# Altium PCB GSMGPSMC60.PcbDoc
Units mm, origin at the board's own origin, x right, y up, seen from the top; angles counter-clockwise.
Board outline 40.1 x 30 mm, 2 copper layers (Top Layer, Bottom Layer); 52 components, 74 nets, 237 pads, 228 vias.
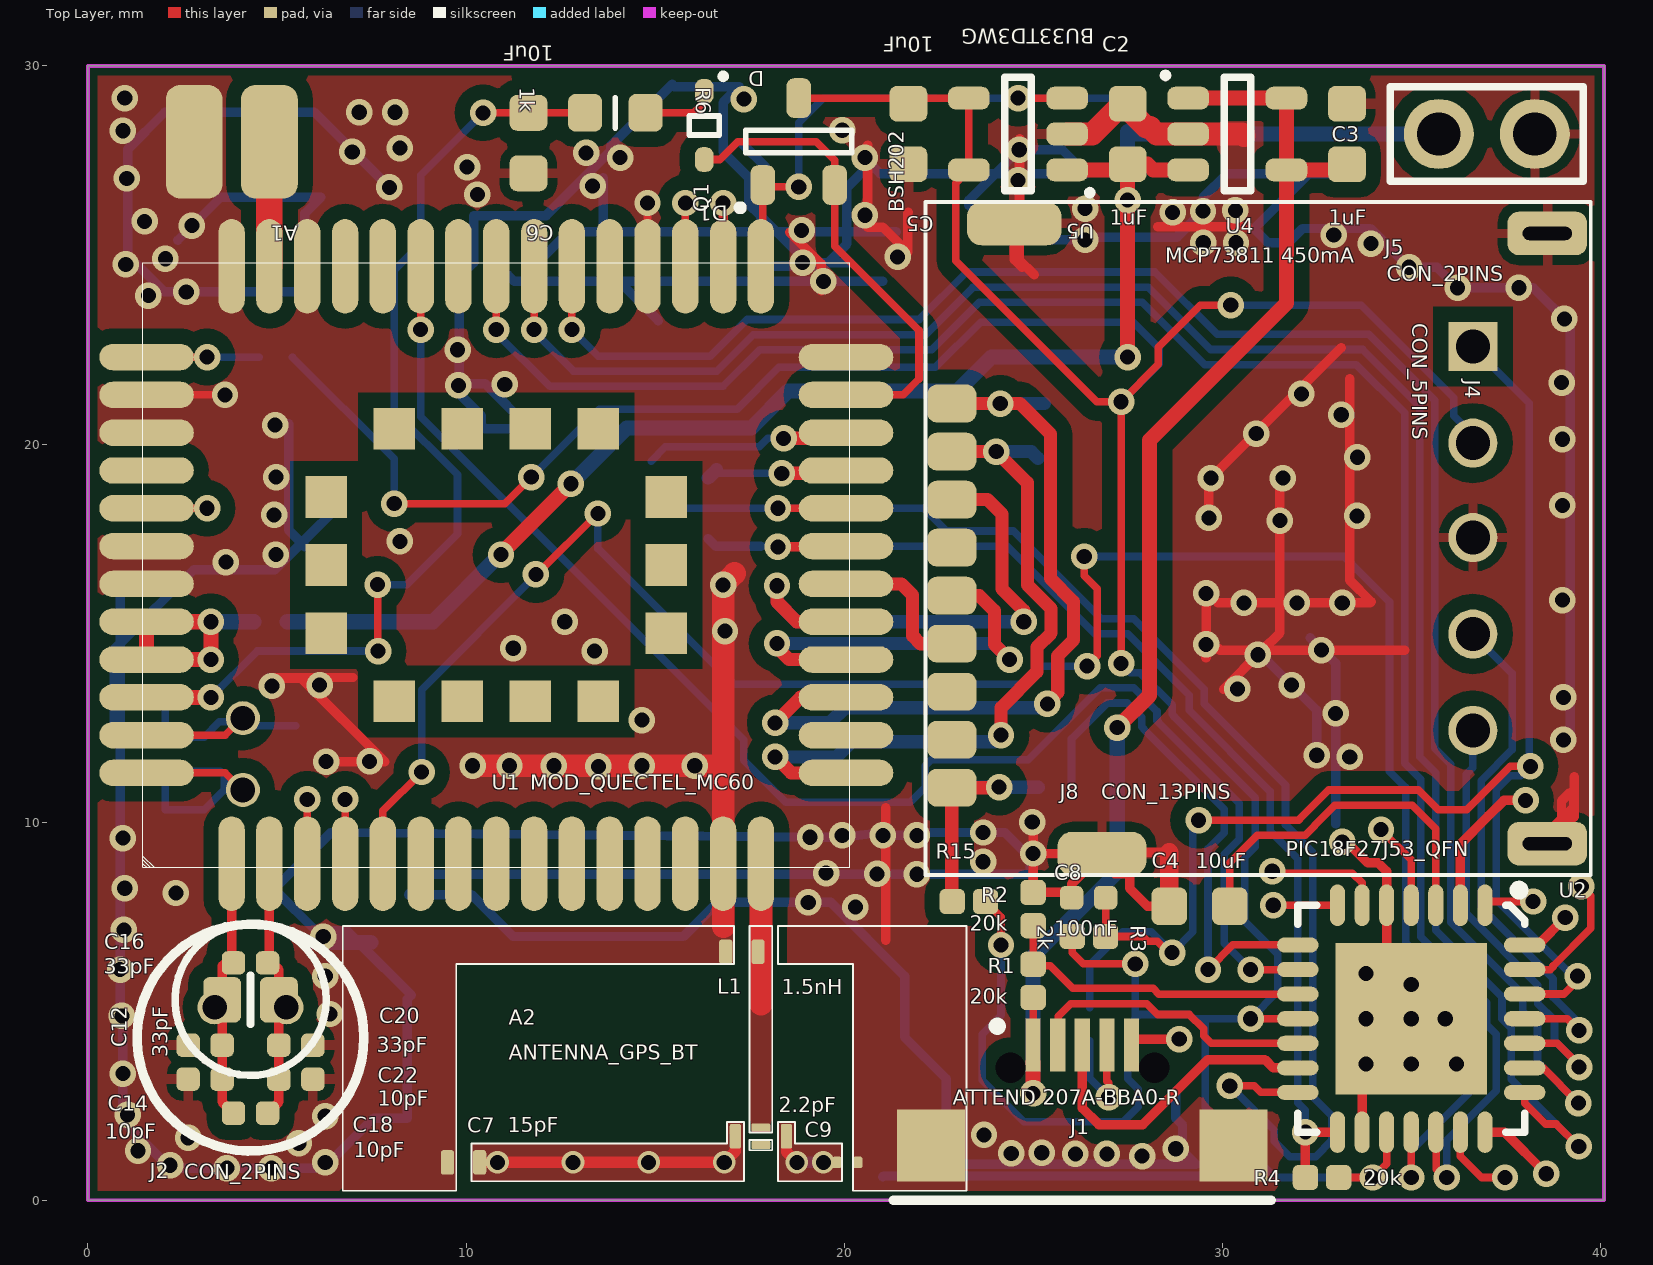
[diagram p0: Top Layer view]
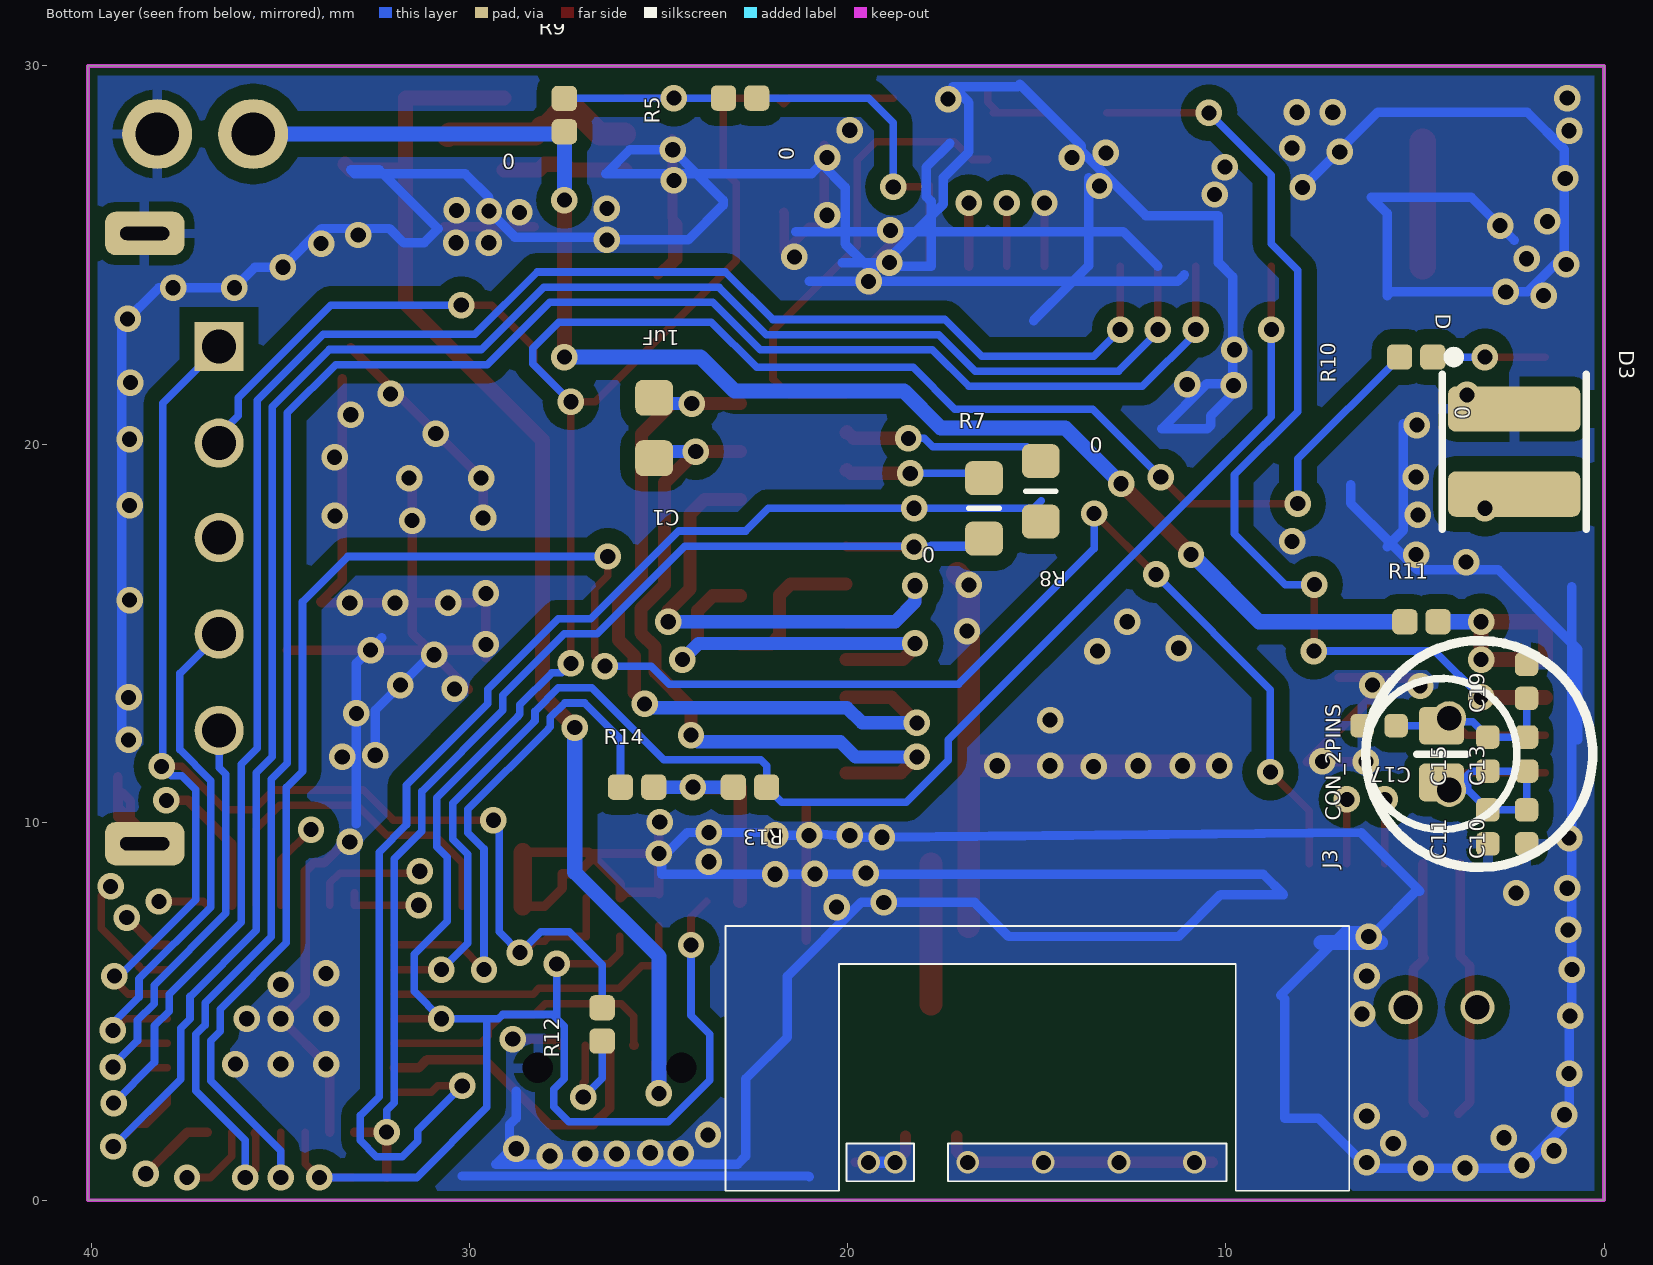
[diagram p1: Bottom Layer view, seen from below]
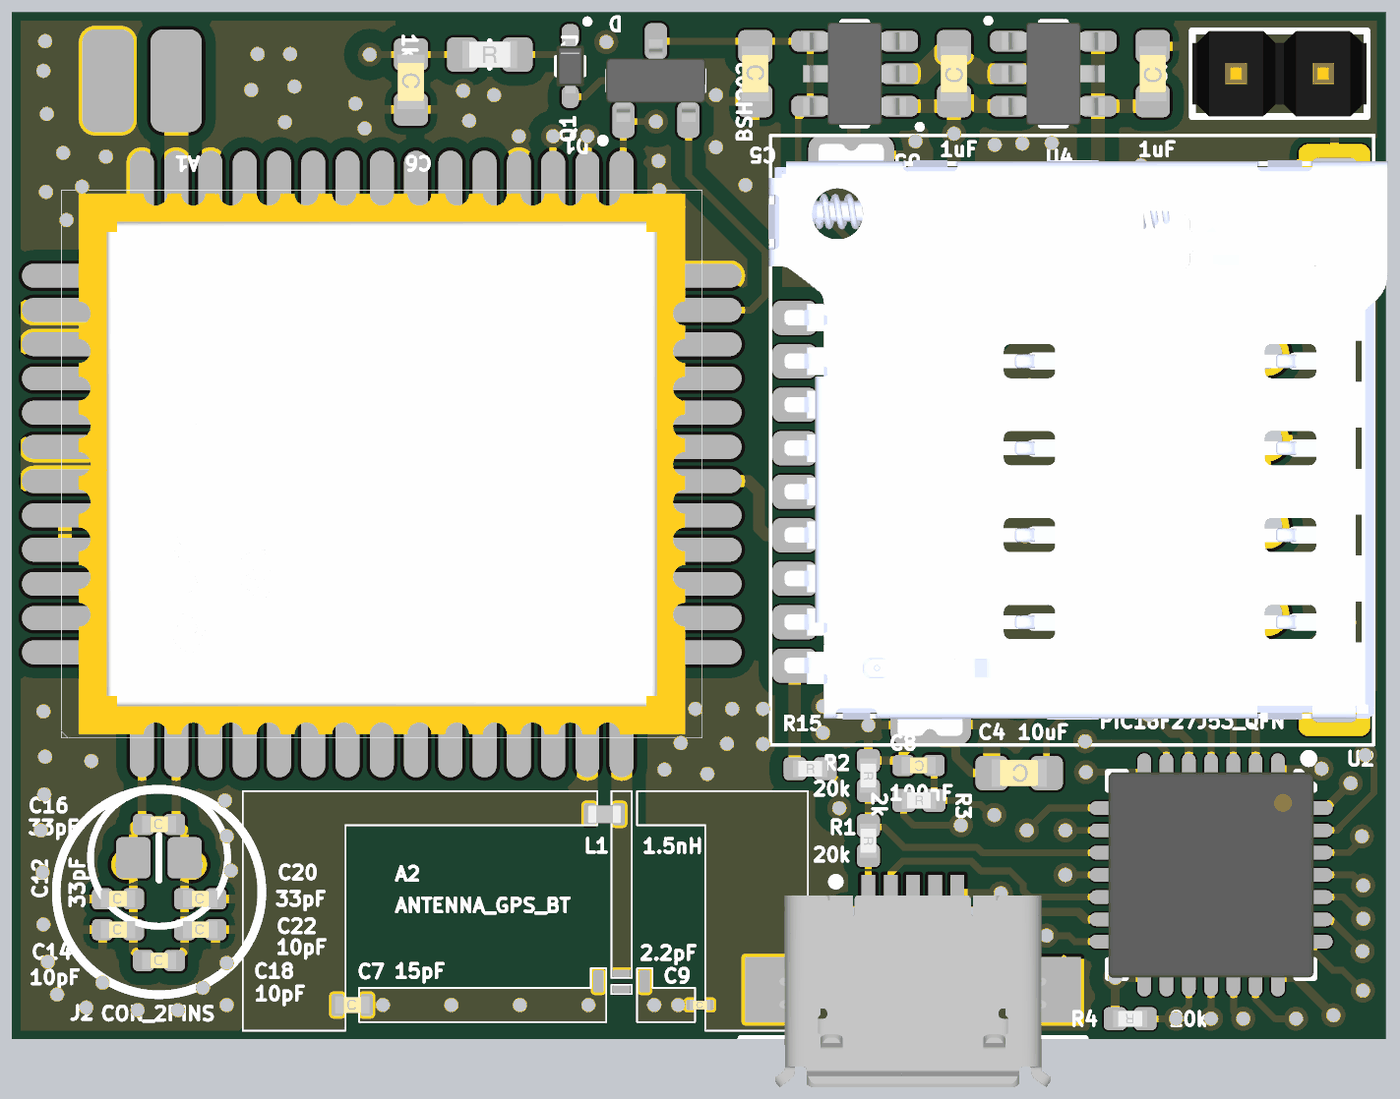
[diagram p2: 3D render of the assembled board from above, using the file's embedded part models]
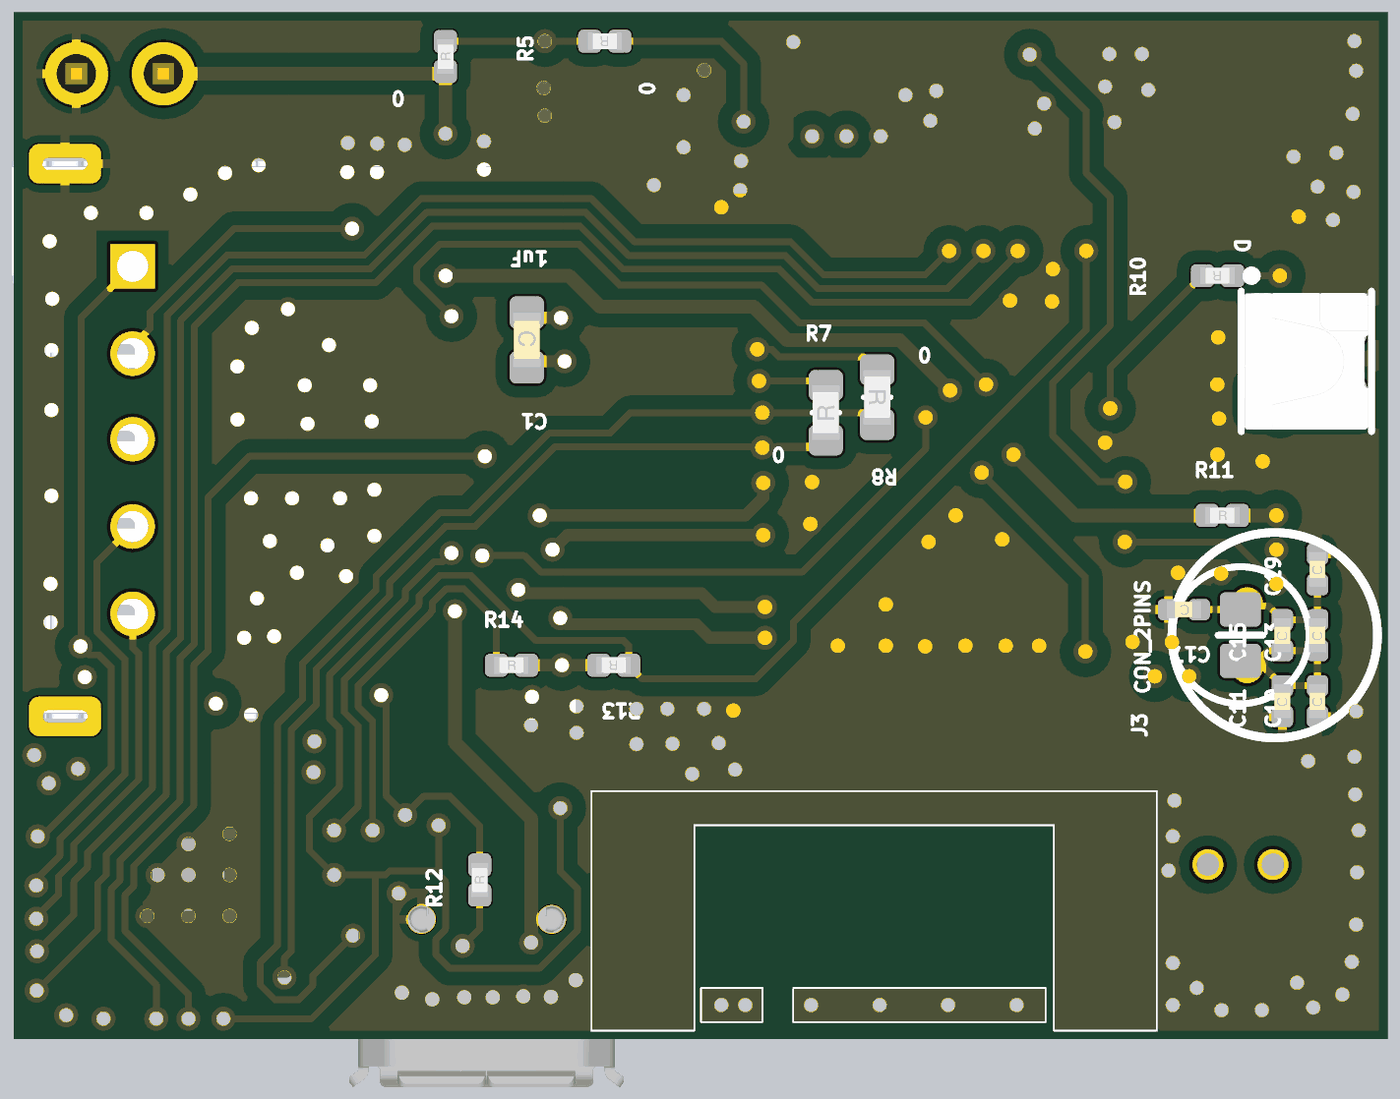
[diagram p3: 3D render of the assembled board from below, using the file's embedded part models]

## Layer stack, top to bottom
Top Solder: solder mask 0.0102, Solder Resist, Dk 3.5
Top Layer: signal copper 0.0356
Dielectric 1: dielectric 0.32, FR-4, Dk 4.8
Bottom Layer: signal copper 0.0356
Bottom Solder: solder mask 0.0102, Solder Resist, Dk 3.5

## Board outline
0,0 0,30 40.1,30 40.1,0

## Design rules (kind name [scope] priority, off if disabled: settings)
Clearance Clearance_PolySmall [InPolygonClass('PolySmallClearance')] p1: gap=0.2
Clearance Clearance_Keepout [All vs OnLayer('Keep-Out Layer')] p2: gap=0.2
Clearance Clearance_Q1Q2Q3 [(InComponent('Q1') OR InComponent('Q2') OR InComponent('Q3')) vs (InComponent('Q1') OR InComponent('Q2') OR InComponent('Q3'))] p3 off: gap=1
Clearance Clearance_110V_NoNet [InNetClass('110V') vs InNet('No Net')] p4 off: gap=0.5
Clearance Clearance_220V_110V [InNetClass('220V') vs InNetClass('110V')] p5 off: gap=1
Clearance Clearance_240VAC_220V [InNet('240VAC') vs InNetClass('220V')] p6 off: gap=1
Clearance Clearance_Poly [All vs InPolygon] p7: gap=0.4
Clearance Clearance_TrackAll [All vs IsTrack] p8: gap=0.2
Clearance Clearance_TrackU4 [InComponent('U4') vs IsTrack] p9 off: gap=0.25
Clearance Clearance_220V [InNetClass('220V')] p10 off: gap=2
Clearance Clearance_110V [InNetClass('110V')] p11 off: gap=1
Clearance [All] p12: gap=0.2
ComponentClearance [All] p1 off: gap=0.254 collisioncheckmode=3 verticalgap=0.254 showdistances=FALSE
Height [All] p1 off: minheight=0 maxheight=25.4 prefheight=12.7
PolygonConnect PolygonConnect_Direct [InPadClass('Flooded')  or InComponentClass ('PolygonDirectConnect')] p1: connectstyle=Direct reliefconductorwidth=0.254 reliefentries=4 polygonreliefangle="90 Angle" airgapwidth=0.254
PolygonConnect PolygonConnect_GND [All vs IsVia] p2: connectstyle=Direct reliefconductorwidth=0.254 reliefentries=4 polygonreliefangle="90 Angle" airgapwidth=0.254
PolygonConnect [All] p3: connectstyle=Relief reliefconductorwidth=0.254 reliefentries=4 polygonreliefangle="90 Angle" airgapwidth=0.254
RoutingVias [All] p1: holewidth=0.711 width=1.27 viastyle="Through Hole" minholewidth=0.711 minwidth=1.27 maxholewidth=0.711 maxwidth=1.27
SolderMaskExpansion [All] p1: expansion=0.102
UnpouredPolygon [All] p1: allowunpoured=FALSE
Width [All] p1: maxlimit=5 minlimit=0.2 preferedwidth=0.5
27 further rules are at their usual default settings.

## Classes and differential pairs
component class PolygonDirectConnect: A1 A2 C7 C9 L1 U1
polygon class PolySmallClearance: ANT_GND BT GND_ANT GPS GPS_ANT
pad class Flooded: J1-7 J1-8

## Components (designator, comment, footprint, x,y, rotation, side; value= is the part's Value field where it differs from the comment)
A1 "ANTENNA_GSM" SMD_CON_ANTENNA_GSM 4.8,28 r180 top
A2 "ANTENNA_GPS_BT" "SMD_CHIP_ANTENNA_GPS_BT - FLIP" 17.8,1.69 r180 top
C1 "1uF" SMD_0603_CAPC1608X95N 25.125,20.425 r270 bottom
C2 "1uF" SMD_0603_CAPC1608X95N 27.5,28.2 r90 top
C3 "1uF" SMD_0603_CAPC1608X95N 33.3,28.2 r90 top
C4 "10uF" SMD_0603_CAPC1608X95N 29.4,7.775 r180 top
C5 "10uF" SMD_0603_CAPC1608X95N 21.7,28.2 r270 top
C6 "10uF" SMD_0603_CAPC1608X95N 11.65,27.96 r270 top
C7 "15pF" "SMD_0402_CAPC1005X90N - ANTENNA" 9.94,1 r0 top
C8 "100nF" SMD_0402_CAPC1005X90N 26.466,8 r180 top
C9 "2.2pF" "SMD_0201_CAPC0603X33N - ANTENNA" 20.09,1 r0 top
C10 "33pF" SMD_0402_CAPC1005X90N 2.05,9.875 r90 bottom
C11 "10pF" SMD_0402_CAPC1005X90N 3.075,9.875 r90 bottom
C12 "33pF" SMD_0402_CAPC1005X90N 3.1,4.1 r0 top
C13 "33pF" SMD_0402_CAPC1005X90N 2.05,11.8 r90 bottom
C14 "10pF" SMD_0402_CAPC1005X90N 3.1,3.2 r0 top
C15 "10pF" SMD_0402_CAPC1005X90N 3.075,11.8 r90 bottom
C16 "33pF" SMD_0402_CAPC1005X90N 4.3,6.275 r0 top
C17 "33pF" SMD_0402_CAPC1005X90N 5.95,12.55 r0 bottom
C18 "10pF" SMD_0402_CAPC1005X90N 4.3,2.3 r0 top
C19 "10pF" SMD_0402_CAPC1005X90N 2.05,13.725 r90 bottom
C20 "33pF" SMD_0402_CAPC1005X90N 5.5,4.1 r0 top
C22 "10pF" SMD_0402_CAPC1005X90N 5.5,3.2 r0 top
D1 "D" SMD_SOD523_SOD1608X65N 16.3,28.425 r270 top
D3 "D" SMD_LED_LAA67F 2.375,19.8 r270 bottom
J1 "ATTEND 207A-BBA0-R" SMD_CON_MICRO_USB 26.3,4.1 r270 top
J2 "CON_2PINS" PTH_MIC_6MM_2.7MM_PITCH1.9 4.3,4.3 r0 top
J3 "CON_2PINS" PTH_MIC_6MM_2.7MM_PITCH1.9 3.3,11.8 r90 bottom
J4 "CON_5PINS" "SIP5 - PGM" 36.63,17.5 r270 top
J5 "CON_2PINS" PTH_HDRV02W64P254_1X02 37,28.2 r180 top
J8 "CON_13PINS" SMD_CON-ATTEND_MICRO_SIM_115Q-BCA0 38.6,17.5 r90 top locked
L1 "1.5nH" "SMD_0402_INDC1005X55N - ANTENNA" 17.3,6.57 r0 top
Q1 "BSH202" SMD_SOT23_SOT95P240X120-3N 18.8,28 r90 top
R1 "20k" SMD_0402_RESC1005X37N 25,5.8 r270 top
R2 "20k" SMD_0402_RESC1005X37N 25,7.7 r270 top
R3 "2k" SMD_0402_RESC1005X37N 26.475,6.975 r0 top
R4 "20k" SMD_0402_RESC1005X37N 32.64,0.6 r180 top
R5 "0" SMD_0402_RESC1005X37N 22.85,29.15 r0 bottom
R6 "1k" SMD_0603_RESC1608X55N 13.95,28.76 r0 top
R7 "0" SMD_0603_RESC1608X55N 16.4,18.3 r90 bottom
R8 "0" SMD_0603_RESC1608X55N 14.9,18.75 r270 bottom
R9 "0" SMD_0402_RESC1005X37N 27.5,28.7 r90 bottom
R10 "0" SMD_0402_RESC1005X37N 4.97,22.3 r0 bottom
R11 "0" SMD_0402_RESC1005X37N 4.83,15.3 r180 bottom
R12 "0" SMD_0402_RESC1005X37N 26.5,4.65 r90 bottom
R13 "0" SMD_0402_RESC1005X37N 22.591,10.925 r0 bottom
R14 "0" SMD_0402_RESC1005X37N 25.575,10.925 r180 bottom
R15 "10k" SMD_0402_RESC1005X37N 23.3,7.9 r0 top
U1 "MOD_QUECTEL_MC60" SMD_MOD_MC60 10.8,16.8 r90 top locked
U2 "PIC18F27J53_QFN" SMD_QFN65P600X600X100-29AN 35,4.8 r270 top locked
U4 "MCP73811 450mA" "SMD_SOT26_SOT95P285X140-5N - DLV" 30.4,28.2 r0 top
U5 "BU33TD3WG" "SMD_SOT26_SOT95P285X140-5N - DLV" 24.6,28.2 r180 top

## Footprints (in the part's own frame and the unit in brackets; to place one, negate y for a bottom-side part, rotate by r counter-clockwise, add the part's x,y. Pads: shape width x height; smd on the part's side, far side on the other; paste and mask are expansions set on the pad)
PTH_HDRV02W64P254_1X02 [mm]
  round 1.85 hole 1.15 mask+0.075: 1(-1.27,0) 2(1.27,0)
  silkscreen extent -2.55,-1.25 2.55,1.25, body extent -2.54,-1.25 2.54,1.25, height 8
PTH_MIC_6MM_2.7MM_PITCH1.9 [mm] "PMO-6027P-40KDQ(20120820)"
  round 0.9 hole 0.65: 1(-0.95,0.8) 2(0.95,0.8)
  rrect33% 1x1.2 smd mask+0.075: 1(-0.75,1) 2(0.75,1)
  silkscreen extent -3,-3 3,3, body extent -2.98,-2.99 3,2.99, height 6.45
"SIP5 - PGM" [mm]
  rect 1.3x1.3 hole 0.9: 1(-5.075,0)
  round 1.3 hole 0.9: 2(-2.525,0) 3(-0.025,0) 4(2.525,0) 5(5.075,0)
"SMD_0201_CAPC0603X33N - ANTENNA" [mm]
  rrect42% 0.25x0.3 smd mask+0.075: 1(-0.28,0) 2(0.27,0)
  body extent -0.3,-0.15 0.3,0.15, height 0.33
SMD_0402_CAPC1005X90N [mm]
  rrect48% 0.62x0.62 smd mask+0.075: 1(-0.45,0) 2(0.45,0)
  body extent -0.5,-0.25 0.5,0.25, height 0.9
"SMD_0402_CAPC1005X90N - ANTENNA" [mm]
  rrect42% 0.35x0.65 smd mask+0.075: 1(-0.43,0) 2(0.42,0)
  body extent -0.5,-0.25 0.5,0.25, height 0.9
"SMD_0402_INDC1005X55N - ANTENNA" [mm]
  rrect42% 0.35x0.65 smd mask+0.075: 1(-0.43,0) 2(0.42,0)
  body extent -0.5,-0.27 0.5,0.28, height 0.55
SMD_0402_RESC1005X37N [mm]
  rrect45% 0.67x0.67 smd mask+0.05: 1(-0.44,0) 2(0.44,0)
  body extent -0.5,-0.25 0.5,0.25, height 0.37
SMD_0603_CAPC1608X95N [mm]
  rrect42% 0.95x1 smd mask+0.075: 1(-0.8,0) 2(0.8,0)
  body extent -0.8,-0.4 0.8,0.4, height 0.95
SMD_0603_RESC1608X55N [mm]
  rrect44% 0.9x1 smd mask+0.075: 1(-0.8,0) 2(0.8,0)
  silkscreen extent 0,-0.4 0,0.4, body extent -0.8,-0.4 0.8,0.4, height 0.55
"SMD_CHIP_ANTENNA_GPS_BT - FLIP" [mm] "ANT016008LCD"
  rrect33% 0.3x0.65 smd mask+0.075: 1(0.675,0) 2(-0.675,0)
  rrect33% 0.5x0.21 smd mask+0.075: 3(0,0.23) 4(0,-0.23)
  rrect42% 0.35x0.65 smd mask+0.075: 5(8.29,0.69) 6(7.44,0.69) 9(0.93,-4.88) 10(0.08,-4.88)
  rrect42% 0.25x0.3 smd mask+0.075: 7(-2.01,0.69) 8(-2.56,0.69)
  Top Layer lines w0.25: -1.65,0.69 -2.01,0.69
  Top Layer lines w0.3: 7.44,0.69 4.97,0.69 0.97,0.69 0.675,0.395 0.675,0 ; -0.675,0 -0.675,0.415 -0.95,0.69
  silkscreen extent -5.44,-5.56 11.06,1.44
SMD_CON-ATTEND_MICRO_SIM_115Q-BCA0 [mm] "ATTEND MicroSIM Holder 115Q-BCA0"
  rrect50% 1x1.3 smd mask+0.05: 1(3.57,15.75) 2(1.03,15.75) 3(-1.51,15.75) 4(-4.05,15.75) 5(2.3,15.75) 6(-0.24,15.75) 7(-2.78,15.75) 8(-5.32,15.75) 9(-6.59,15.75)
  rrect50% 1.15x2.1 hole 0.35 slot 1.3 at 90 deg mask+0.05: 10(-8.07,0) 11(8.07,0)
  rrect67% 1.15x2.35 smd mask+0.05: 12(-8.33,11.78)
  rrect67% 1.15x2.5 smd mask+0.05: 13(8.33,14.1)
  silkscreen extent -8.9,-1.15 8.9,16.45, body extent -8.64,-1.55 8.65,16.52, height 1.63
SMD_CON_ANTENNA_GSM [mm]
  rrect50% 1.5x3 smd: 1(0,0.004) 2(1.99,0.004)